# Altium PCB TIMESTICK_2.1.PcbDoc (part 2 of 3) (continued)
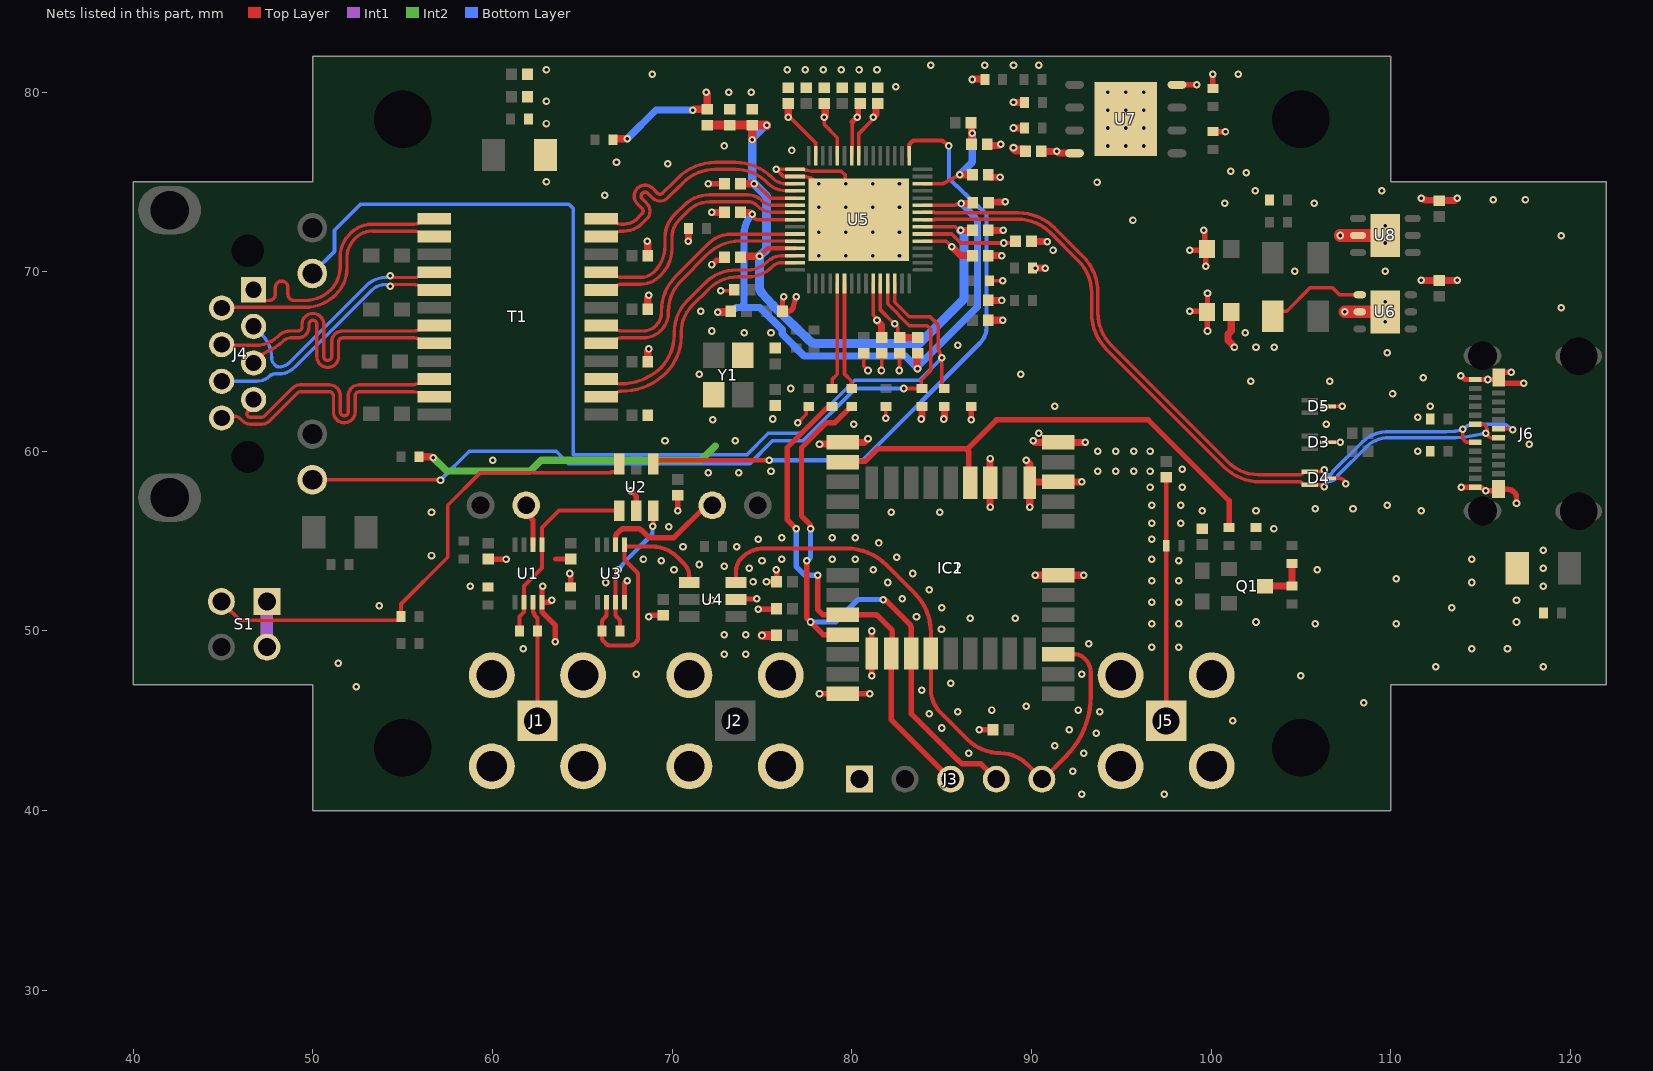
[diagram p4: the nets of this part, all layers, seen from the top]
## Nets (pads, with @x,y where several pads share a name; then routed paths per layer and width w, separated by ;. In a path a pad name is that pad's centre, name@x,y a point inside that pad or via, vN(x,y) a via of type N, cw(c..) or ccw(c..) an arc to the next point about the centre after c; other vN are vias at no path point)
1PPS_IN: R9.1 U3.2 U3.5 U4.4 | length 14.6
  Top Layer w0.233: R9.1@66.1,50 66.1,49.596 ccw(c66.333,49.596) 66.168,49.432 66.333,49.267 ccw(c66.496,49.433) 66.495,49.2 67.704,49.2 ccw(c67.704,49.433) 67.868,49.268 68.032,49.432 ccw(c67.867,49.596) 68.1,49.596 68.1,53.104 ccw(c67.867,53.104) 68.032,53.268 67.412,53.888 cw(c67.577,54.052) 67.344,54.052 U3.5@67.344,54.798 ; R9.1@66.1,50.011 66.1,50.504 cw(c66.333,50.504) 66.168,50.668 66.276,50.776 ccw(c66.112,50.941) 66.344,50.941 U3.2@66.344,51.598 ; U3.5@67.443,54.7 68.872,54.7 cw(c68.873,52.703) 70.281,54.119 70.657,53.743 70.659,53.741 cw(c69.955,53.038) 70.95,53.04 70.95,52.884 U4.4@70.95,52.7
1PPS_IN_BUFF: R9.2 U2.3 U3.3 | length 7.6
  Top Layer w0.233: v1(67,53.4) 66.864,53.089 ccw(c67.077,52.996) 66.844,52.996 66.844,50.952 ccw(c67.077,50.952) 66.912,50.788 67.033,50.667 cw(c66.867,50.504) 67.1,50.504 R9.2@67.1,50 ; v1(68.925,55.825) ccw(c68.717,55.93) 68.95,55.93 U2.3@68.95,56.7
  Bottom Layer w0.233: v1(67,53.4) 67.411,53.909 cw(c67.592,53.763) 67.428,53.928 68.832,55.332 ccw(c68.667,55.496) 68.9,55.492 cw(c69.132,55.486) 68.9,55.502 v1(68.925,55.825)
1PPS_IN_LED: D2.C U3.6 | length 7
  Top Layer w0.3: U3.6@66.844,54.798 66.844,55.22 cw(c67.144,55.22) 66.931,55.431 67.113,55.613 cw(c67.324,55.4) 67.324,55.7 68.076,55.7 cw(c68.076,55.4) 68.288,55.612 68.613,55.287 ccw(c68.824,55.5) 68.824,55.2 70.1,55.2 71.9,57 D2.C@72.23,57
1PPS_OUT: R3.2 U1.2 U1.5 U2.1 | length 11
  Top Layer w0.233: R3.2@61.5,50 61.5,50.8 61.75,51.05 U1.2@61.75,51.6 61.75,52.5 62.75,53.5 U1.5@62.75,54.8 62.75,55.75 63.7,56.7 U2.1@67.05,56.7
1PPS_OUT_LED: D1.C U1.6 | length 2.3
  Top Layer w0.3: D1.C@61.87,56.9 61.87,56.564 62.25,56.184 U1.6@62.25,54.8
1PPS_SMA_OUT: J1.1 R3.1 U1.3 | length 6.7
  Top Layer w0.233: U1.3@62.25,51.6 62.25,51.146 ccw(c62.483,51.146) 62.318,50.982 62.334,50.966 62.334,50.878 62.5,50.711 cw(c62.267,50.704) 62.5,50.704 R3.1@62.5,50 J1.1@62.5,45
279_1PPS_IO: U2.4 U5.46 | length 36
  Top Layer w0.233: U2.4@68.95,59.3 69.15,59.5 v1(75.4,59.5) ; U5.46@83.191,76.45 83.191,76.995 cw(c83.423,76.995) 83.259,77.159 83.332,77.232 cw(c83.496,77.067) 83.496,77.3 84.953,77.3 cw(c84.953,77.067) 85.101,77.247 v1(85.4,77)
  Bottom Layer w0.233: v1(75.4,59.5) 80.6,59.5 87.146,66.046 ccw(c86.292,66.9) 87.5,66.901 87.5,73.2 85.551,75.049 85.4,75.2 v1(85.4,77)
279_TOD_IN: IC1.20 IC2.2 J3.3 R23.1 | length 27.8
  Top Layer w0.3: v1(76.9,55.7) 76.4,56.2 76.4,60.2 78.6,62.4 78.8,62.4 R23.1@78.9,62.5 ; v1(78.1,53.1) 78.1,51.2 78.4,50.9 IC1.20@79.5,50.9 81.276,50.9 cw(c81.276,50.6) 81.487,50.813 82.163,50.137 cw(c81.95,49.926) 82.25,49.926 82.25,49.5 IC2.2@82.2,48.75 82.2,45.05 J3.3@85.5,41.75
  Bottom Layer w0.3: v1(76.9,55.7) 76.9,53.6 77.4,53.1 v1(78.1,53.1)
279_TOD_IN_R: R23.2 U5.20 | length 6
  Top Layer w0.2: R23.2@78.9,63.5 78.9,64 79.191,64.291 U5.20@79.191,69.35
279_TOD_OUT: IC1.21 IC2.3 J3.4 R28.1 | length 33.8
  Top Layer w0.3: v1(77.5,53.9) 77.5,50.7 v1(77.7,50.5) 78.4,49.8 IC1.21@79.5,49.8 ; v1(77.7,55.7) 77.677,55.723 77.677,55.923 77.2,56.4 77.2,60.2 78.6,61.6 79.05,61.6 79.95,62.5 R28.1@80,62.5 ; v1(81.75,51.75) cw(c81.725,51.451) 81.937,51.663 83.213,50.387 cw(c83,50.176) 83.3,50.176 IC2.3@83.3,48.75 83.3,45.4 85.9,42.8 85.935,42.8 86.135,42.6 87.19,42.6 J3.4@88.04,41.75
  Bottom Layer w0.3: v1(77.5,53.9) 77.7,54.1 v1(77.7,55.7) ; v1(77.7,50.5) 79.1,50.5 80.35,51.75 v1(81.75,51.75)
279_TOD_OUT_R: R28.2 U5.21 | length 6
  Top Layer w0.2: U5.21@79.591,69.35 79.591,64.309 79.967,63.933 79.967,63.533 R28.2@80,63.5
+5V_ANT: Q1.3 R11.1 R13.2 | length 2.7
  Top Layer w0.4: Q1.3@103,52.5 R11.1@104.5,52.5 R13.2@104.5,53.75
ANT: C7.1 J5.1 L1.2 | length 13.6
  Top Layer w0.233: J5.1@97.5,45 97.5,52.3 L1.2@97.5,54.75 C7.1@97.5,58.56
AVDD10: C16.2 C17.2 FB1.2 U5.43 | length 6.8
  Top Layer w0.203: U5.43@83.941,74.9 85.072,74.9 v1(86,75.4) v1@85.941,75.4
  Top Layer w0.4: v1(86,75.4) C16.2@86.716,75.4 ; FB1.2@86.64,78.3 86.661,78.279 86.661,77.101 C17.2@86.66,77.1
  Bottom Layer w0.4: v1(86,75.4) 86.7,76.1 v1(86.7,77.7)
AVDD_1.85: C26.2 C27.2 FB2.2 FB3.2 U5.8 U5.40 | length 36.8
  Top Layer w0.2: v1(74.456,73.2) 74.455,73.19 ccw(c74.655,73.185) 74.513,73.044 74.598,72.958 ccw(c74.739,73.1) 74.739,72.9 75.005,72.9 76.391,72.9 U5.8@76.841,72.9 ; U5.40@83.941,73.7 85.698,73.7 ccw(c85.698,73.9) 85.824,73.745 cw(c85.949,73.589) 85.856,73.766 85.973,73.827 86.073,73.827 v1(86.1,73.8)
  Top Layer w0.4: v1(72.544,67.75) v1@72.563,67.769 ; v1@72.59,67.769 73.229,67.769 FB3.2@73.26,67.8 ; C26.2@73.796,73.3 74.193,73.3 cw(c74.191,72.9) v1(74.456,73.2) ; v1(83.656,64.6) 83.656,64.627 83.625,64.658 83.625,65.429 FB2.2@83.656,65.46 ; v1(86.1,73.8) 86.104,73.804 86.68,73.804 C27.2@86.726,73.85
  Bottom Layer w0.4: v1(72.544,67.75) 72.548,67.754 73.308,67.754 73.554,68 73.845,68 ; 74,71.273 74,68.321 cw(c73.6,68.321) 73.883,68.038 73.845,68 ; 74,71.273 74,72.1 cw(c75.556,72.1) v1(74.456,73.2) ; v1(83.656,64.6) 83.656,64.627 83.606,64.677 83.606,64.681 82.987,65.3 80.892,65.3 80.882,65.31 80.418,65.31 80.408,65.3 77.35,65.3 76.121,66.529 76.121,66.771 74.892,68 73.883,68 73.845,68 ; v1@83.66,64.631 83.675,64.646 83.675,64.719 87,68.044 87,72.856 86.792,73.064 86.792,73.108 v1(86.1,73.8)
AVDD_33: C35.2 C36.2 C37.2 C38.2 C39.2 FB4.2 U5.5 U5.12 U5.37 | length 41.1
  Top Layer w0.2: v1(74.556,74.9) 74.637,74.9 74.776,74.761 74.795,74.761 75.456,74.1 U5.5@76.841,74.1 ; U5.37@83.941,72.5 85.756,72.5 85.956,72.3 v1(86.056,72.3)
  Top Layer w0.25: v1(74.859,70.864) 74.872,70.864 75.308,71.3 U5.12@76.841,71.3
  Top Layer w0.4: C36.2@73.796,70.8 73.86,70.864 v1(74.859,70.864) ; C37.2@73.796,74.9 v1(74.556,74.9) ; v1(86.056,72.3) C38.2@86.716,72.3
  Top Layer w0.5: FB4.2@71.956,78.16 C35.2@73.206,78.16 C39.2@74.456,78.16 ; v1(74.456,77.35) C39.2@74.456,78.16 ; v1(75.256,78.15) 75.246,78.16 C39.2@74.456,78.16
  Bottom Layer w0.5: v1(74.456,77.35) 74.456,75 v1(74.556,74.9) 75.256,74.2 75.256,71.261 v1(74.859,70.864) 74.859,69.155 ccw(c75.359,69.155) 74.989,68.819 75.6,68.146 ccw(c76.1,68.6) 75.63,68.115 77.666,66.141 ccw(c78.014,66.5) 78.014,66 83.756,66 86.25,68.494 86.25,72.106 v1(86.056,72.3) ; v1@74.456,77.45 75.156,78.15 v1(75.256,78.15)
D_N: D4.2 J6.A7 J6.B7 U5.38 | length 42
  Top Layer w0.195: U5.38@83.941,72.9 83.944,72.903 84.591,72.903 ccw(c84.591,72.939) 84.617,72.913 cw(c84.643,72.888) 84.643,72.924 89.249,72.924 cw(c89.249,70.384) 91.045,72.18 92.606,70.619 cw(c90.81,68.823) 93.35,68.823 93.35,67.699 ccw(c96.239,67.699) 94.196,65.657 100.708,59.145 ccw(c102.751,61.188) 102.751,58.298 104.879,58.298 ; 104.925,58.3 cw(c104.925,58.105) D4.2@105.114,58.15 ; D4.2@105.132,58.174 D4.2@105.492,58.144 106.193,58.144 cw(c106.193,57.993) 106.3,58.1 v1(106.3,58.038) ; J6.A7@114.7,61.5 115.129,61.5 cw(c115.129,61.305) 115.308,61.382 115.351,61.28 cw(c115.172,61.203) 115.353,61.131 v1(115.3,61) ccw(c115.824,61.313) 115.518,60.785 ccw(c115.614,60.954) 115.574,60.764 115.747,60.728 J6.B7@116,60.75
  Bottom Layer w0.195: v1(106.3,58.038) 106.366,58.202 cw(c106.546,58.13) 106.546,58.324 ccw(c106.546,58.87) 107.029,58.614 107.031,58.619 cw(c107.203,58.528) 107.065,58.665 108.665,60.265 cw(c109.841,59.086) 109.735,60.748 ccw(c109.724,60.923) 109.736,60.748 cw(c109.748,60.554) 109.747,60.748 113.073,60.748 113.081,60.748 ccw(c113.08,61.295) 113.104,60.749 113.579,60.769 cw(c113.587,60.575) 113.583,60.769 114.019,60.779 ccw(c114.008,61.236) 114.088,60.786 v1(115.3,61)
D_P: D4.1 J6.A6 J6.B6 U5.39 | length 43.9
  Top Layer w0.195: U5.39@83.941,73.3 83.944,73.297 84.591,73.297 cw(c84.591,73.261) 84.617,73.287 ccw(c84.643,73.312) 84.643,73.276 89.25,73.276 cw(c89.25,70.387) 91.293,72.43 92.855,70.867 cw(c90.813,68.824) 93.702,68.824 93.702,67.701 ccw(c96.242,67.701) 94.446,65.904 100.956,59.394 ccw(c102.631,61.069) 102.631,58.7 104.95,58.7 ccw(c104.95,58.895) 105.132,58.826 D4.1@105.492,58.856 106.193,58.856 ccw(c106.193,59.007) 106.3,58.9 v1(106.3,58.962) ; v1(114.008,61.236) 114.008,60.821 ccw(c114.321,60.821) 114.1,60.6 ccw(c114.341,60.841) 114.341,60.5 J6.A6@114.7,60.5 ; J6.B6@116,61.25 116.679,61.25 cw(c116.679,61.079) v1(116.8,61.2)
  Bottom Layer w0.195: v1(106.3,58.962) 106.366,58.798 ccw(c106.546,58.87) 106.546,58.676 ccw(c106.546,58.87) 106.718,58.779 106.721,58.784 cw(c107.203,58.528) 106.816,58.913 108.417,60.514 ; 108.417,60.514 cw(c109.841,59.086) 109.712,61.099 ; 109.713,61.099 cw(c109.748,60.554) 109.746,61.1 113.073,61.1 ; 113.074,61.1 113.081,61.1 ccw(c113.08,61.295) 113.089,61.1 113.563,61.12 ; 113.565,61.121 ccw(c113.556,61.315) 113.591,61.124 113.904,61.181 ccw(c113.87,61.373) v1(114.008,61.236) cw(c114.784,60.46) 114.4,61.488 cw(c114.467,61.305) 114.466,61.5 116.307,61.5 cw(c116.306,61.305) 116.382,61.484 cw(c115.844,60.244) v1(116.8,61.2)
DVDD_1.85: C22.2 C23.2 C24.2 C25.2 FB2.1 U5.26 U5.35 U5.53 U5.56 | length 14.2
  Top Layer w0.2: v1(78.456,78.6) 78.456,78.2 79.191,77.465 U5.56@79.191,76.45 ; U5.53@80.391,76.45 80.391,77.302 80.396,77.307 80.396,77.696 81.061,78.361 81.061,78.38 81.2,78.519 v1(81.2,78.6) ; U5.26@81.591,69.35 81.591,67.865 82.356,67.1 v1(82.4,67.1) 82.4,67.093 82.556,66.937 82.556,66.44 C24.2@82.656,66.34 ; U5.35@83.941,71.7 85.256,71.7 v1(85.556,71.4)
  Top Layer w0.4: v1(78.456,78.6) 78.456,78.605 78.517,78.667 78.517,79.299 C22.2@78.456,79.36 ; v1(81.2,78.6) 81.2,78.627 81.338,78.765 81.338,79.26 81.438,79.36 C25.2@81.456,79.36 ; C24.2@82.656,66.34 FB2.1@83.656,66.34 ; v1(85.556,71.4) 86.056,70.9 C23.2@86.716,70.9
DVDD_33: C18.2 C20.2 C31.2 C32.2 C33.2 C34.2 FB4.1 FB5.1 L2.2 R8.2 R10.2 R19.2 R22.2 R24.2 R25.2 R31.1 R32.1 R34.1 R35.1 R36.1 R37.1 R38.1 U5.25 U5.36 U5.54 U5.59 U6.1 U7.8 | length 59.5
  Top Layer w0.2: v1@76.356,78.7 76.356,79.26 C33.2@76.456,79.36 ; v1(76.456,78.6) 76.556,78.6 76.556,78.56 76.557,78.558 76.598,78.558 77.991,77.165 U5.59@77.991,76.45 ; v1(77,61.6) 77.467,62.067 77.467,62.367 R24.2@77.6,62.5 ; U5.54@79.991,76.45 80.016,77.41 80.021,77.477 80.021,78.324 ; U5.25@81.191,69.35 81.191,67.59 81.4,67.381 v1(81.4,67.3) ; v1(81.894,61.85) 81.899,62.35 R19.2@81.9,62.5 ; U5.36@83.941,72.1 85.556,72.1 86.056,71.6 v1(88.456,71.6) 89.016,71.6 C32.2@89.116,71.7 ; R25.2@87.656,69.5 v1(88.4,69.5) ; L2.2@103.425,67.517 103.716,67.808 104.208,67.808 105.517,69.117 106.75,69.117 107.15,68.717 U6.1@108.275,68.717
  Top Layer w0.3: v1(75.25,52.75) FB5.1@75.81,52.75 75.81,53.39 v1(75.8,53.4) ; 80.021,78.324 80.297,78.6 v1(80.3,78.6) 80.3,78.654 80.359,78.713 80.359,79.263 C34.2@80.456,79.36 ; v1(86.65,61.75) R22.2@86.65,62.5 ; R36.1@100.1,77.8 v1(100.8,77.8) ; R38.1@100.1,80.2 v1(100.1,81)
  Top Layer w0.4: R10.2@55.9,59.7 56.508,59.7 cw(c56.506,59.3) v1(56.7,59.65) ; R8.2@66.7,77.35 66.75,77.4 v1(67.5,77.4) ; v1(71.15,79) 71.177,79 71.217,79.04 FB4.1@71.956,79.04 71.956,79.917 71.9,79.973 v1(71.9,80) ; v1(76.456,78.6) C33.2@76.456,79.36 ; v1(81.4,67.3) 81.4,67.273 81.644,67.028 81.644,66.44 81.656,66.429 C31.2@81.656,66.34 ; v1(83.865,61.8) 83.865,61.805 83.9,61.841 R31.1@83.9,62.5 ; v1(85.115,61.8) 85.115,61.805 85.15,61.841 R32.1@85.15,62.5 ; v1(86.7,80.7) 86.714,80.7 86.736,80.722 87.111,80.722 87.133,80.7 R34.1@87.4,80.7 ; v1(89,78) R37.1@89.6,78 ; v1(89,79.425) R35.1@89.625,79.425 ; C20.2@90.54,76.7 v1(91.4,76.7) 91.405,76.7 91.501,76.605 92.39,76.605 U7.8@92.4,76.595 ; C18.2@101.125,67.767 101.125,66.706 100.935,66.516 100.935,66.184 101.3,65.819 v1(101.3,65.8)
  Int2 w0.4: v1(56.7,59.65) 57.45,58.9 62.1,58.9 62.7,59.5 71.6,59.5 72.4,60.3
  Bottom Layer w0.4: v1(67.5,77.4) 69.1,79 v1(71.15,79)
  other v1: 103.509,65.798 102.5,65.8 101.9,66.6
GND: C1.1 C2.1 C3.1 C4.1 C5.1 C6.2 C10.1 C11.1 C12.1 C13.1 C14.1 C15.1 C16.1 C17.1 C18.1 C19.1 C20.1 C21.1 C22.1 C23.1 C24.1 C25.1 C26.1 C27.1 C28.1 C29.1 C30.1 C31.1 C32.1 C33.1 C34.1 C35.1 C36.1 C37.1 C38.1 C39.1 C40.1 C41.1 C42.1 C43.1 C44.1 C45.2 C46.2 C48.2 C49.2 C50.2 C51.2 D3.3 D4.3 D5.3 IC1.7 IC1.10 IC1.12 IC1.13 IC1.24 IC2.1 IC2.10 IC2.12 J1.2 J1.3 J1.4 J1.5 J2.2 J2.3 J2.4 J2.5 J3.1 J5.2 J5.3 J5.4 J5.5 J6.A1 J6.A12 J6.B1 J6.B12 R1.2 R4.1 R15.2 R16.2 R18.1 R21.1 R29.2 R30.2 R33.1 R41.2 S1.1 S1.2 U1.4 U2.2 U3.4 U4.2 U5.1 U5.2 U5.61 U6.2 U6.7 U7.4 U7.9 U8.2 U8.7 Y1.2 Y1.4 | length 95.2
  Top Layer w0.2: v1(72.694,68.95) 73.41,68.95 C28.1@73.46,69 ; v1(78.156,74.9) 78.078,74.961 77.9,75.1 77.838,75.148 ccw(c77.716,74.99) 77.823,75.159 ccw(c77.326,74.355) 77.326,75.3 76.2,75.3 v1(75.8,75.7) 77.337,75.7 cw(c77.337,75.4) 77.341,75.7 ccw(c77.491,75.9) 77.491,75.65 77.504,75.65 77.758,75.603 ccw(c77.793,75.8) 77.792,75.6 ccw(c77.8,76.5) 77.796,75.6 79.331,75.6 cw(c79.331,75.4) 79.472,75.541 79.631,75.383 79.631,74.9 79.656,74.875 v1(79.656,73.6) 79.691,73.6 U5.61@80.391,72.9 ; C41.1@80.656,65.46 80.656,64.744 v1(80.9,64.5) ; v1(81.65,64.5) 81.656,64.506 C31.1@81.656,65.46 ; v1@82.656,64.506 C24.1@82.656,65.46 ; D4.3@106.508,58.5 106.865,58.498 107.159,58.497 cw(c107.158,58.297) 107.248,58.475 107.368,58.415 cw(c107.278,58.236) 107.468,58.298 v1(107.5,58.2) ; D3.3@106.508,60.5 v1(107.2,60.5) ; D5.3@106.508,62.5 v1(107.3,62.5)
  Top Layer w0.3: C1.1@59.75,54.01 59.92,54 v1(60.75,54) ; v1(62.8,52.5) 62.75,52.45 U1.4@62.75,51.6 ; v1(63.3,51.7) 63.2,51.6 U1.4@62.75,51.6 ; v1(63.5,49.4) 63.5,50.3 62.75,51.05 U1.4@62.75,51.6 ; 63.504,54.008 C4.1@64.344,54.008 ; v1(64.3,53.2) 64.344,53.156 R4.1@64.344,52.448 ; U3.4@67.344,51.598 67.344,52.644 v1(67.5,52.8) ; v1(67.7,57.8) 68,57.5 U2.2@68,56.7 ; v1(68.7,50.8) 68.77,50.87 C3.1@69.5,50.87 ; v1(70.3,56.7) 70.3,57.54 70.28,57.56 C2.1@70.3,57.56 ; v1(72,74.9) C37.1@72.916,74.9 ; v1(72.2,70.4) 72.232,70.4 72.462,70.63 72.766,70.63 72.916,70.78 C36.1@72.916,70.8 ; U4.2@73.55,51.75 73.657,51.857 73.765,51.75 73.975,51.763 v1(74.7,51.8) ; v1(74.8,51.2) 75.66,51.2 C10.1@75.81,51.25 ; v1(76.2,68.6) 76.2,68.568 76.14,68.508 C29.1@76.14,67.8 76.44,67.8 ccw(c76.44,68.1) 76.728,68.015 v1(76.9,68.6) ; v1(78.2,46.5) IC1.24@79.5,46.5 v1(81,46.5) ; v1(81.1,47.5) IC2.1@81.1,48.75 v1(81.1,50) ; v1(87.1,44.5) C12.1@87.86,44.5 ; U7.4@98.1,80.405 98.105,80.4 v1(99.194,80.4) ; v1(98.8,67.8) 99.742,67.8 C18.1@99.775,67.767 ; v1(98.8,71.2) 99.708,71.2 C30.1@99.775,71.267 ; v1(99.6,72.3) 99.647,72.253 99.647,71.396 C30.1@99.775,71.267 ; v1(99.7,70.3) 99.7,71.192 C30.1@99.775,71.267 ; v1(99.8,66.7) 99.775,66.725 C18.1@99.775,67.767 ; v1(99.8,68.8) 99.8,68.117 C18.1@99.775,67.767 ; v1(113.9,64.2) 113.932,64.2 114.132,64 J6.A12@114.7,64 v1(115.4,64) 115.769,64 ccw(c115.769,64.341) J6.B1@116.01,64.1 ; v1(113.925,58) J6.A1@114.7,58 114.817,58 cw(c114.817,57.317) v1(115.3,57.8) 115.759,57.8 ccw(c115.759,58.141) J6.B12@116,57.9 116.417,57.9 cw(c116.417,57.217) 116.9,57.7 cw(c116.659,57.459) 117,57.459 v1(117,57.1) ; v1(116.7,64.4) 116.21,64.4 J6.B1@116.01,64.1 ; v1(117.4,63.8) 116.21,63.8 J6.B1@116.01,64.1
  Top Layer w0.4: v1(68.6,71.7) cw(c68.503,71.603) 68.64,71.603 C51.2@68.64,70.9 ; C49.2@68.64,65 68.64,65.555 cw(c68.845,65.555) v1(68.7,65.7) ; C50.2@68.64,67.9 68.64,68.555 cw(c68.845,68.555) v1(68.7,68.7) ; v1(70.9,71.7) R21.1@70.9,72.4 ; v1(72.2,73.3) C26.1@72.916,73.3 ; v1(78.2,60.4) 78.204,60.404 79.404,60.404 IC1.13@79.5,60.5 80.7,60.5 v1(80.9,60.7) ; C17.1@87.54,77.1 87.614,77.026 88.214,77.026 88.289,77.1 v1(88.294,77.1) ; C42.1@87.596,67.3 v1@88.356,67.3 ; C43.1@87.596,68.4 v1(88.356,68.4) ; C23.1@87.596,70.9 v1(88.356,70.9) ; C38.1@87.596,72.3 v1(88.431,72.3) ; C16.1@87.596,75.4 87.696,75.28 v1(88.25,75.25) ; C27.1@87.606,73.85 87.706,73.855 v1(88.541,73.9) ; v1(87.7,56.9) IC2.12@87.7,58.25 v1(87.7,59.6) ; v1(89.7,59.5) 89.9,59.3 IC2.10@89.9,58.25 ; v1(89.9,56.9) IC2.10@89.9,58.25 ; C32.1@89.996,71.7 90.096,71.697 v1(90.881,71.675) ; R18.1@90.056,70.2 v1(90.756,70.2) ; v1(90.1,60.6) 90.2,60.5 IC1.12@91.5,60.5 v1(93,60.5) ; v1(90.2,53.1) IC1.7@91.5,53.1 v1(92.9,53.1) ; v1(92.8,58.3) IC1.10@91.5,58.3 89.95,58.3 IC2.10@89.9,58.25 ; v1(111.7,69.517) v1(113.7,69.517) ; v1(111.7,74.1) ccw(c111.972,74.393) 111.951,73.994 112.58,73.963 C40.1@112.7,73.957 113.552,73.957 113.695,74.1 v1(113.7,74.1)
  Top Layer w0.5: v1(75,49.75) C11.1@75.81,49.75 ; v1(89,76.9) 89.13,76.77 89.61,76.77 89.66,76.72 C20.1@89.66,76.7
  Top Layer w0.7: v1(107.2,72.017) U8.2@108.175,72.017 U8.7@109.7,72.017 ; v1(107.45,67.767) U6.2@108.275,67.767 U6.7@109.7,67.767
  Int1 w0.7: S1.2@47.44,49.1 S1.1@47.44,51.64
  other v1: 92.8,40.9 97.4,40.9 92.3,42.2 86.5,43.2 92.9,43.2 91.3,43.6 93.6,44.3 92.1,44.5 85,44.6 101.2,45 84.3,45.4 85.9,45.5 93.8,45.5 87.8,45.6 92.6,45.6 89.7,45.8 108.5,46 83.9,46.7 52.4,46.9 85.5,47.1 105,47.5 68,47.6 92.8,47.6 112.5,48 118.5,48 51.4,48.2 72.9,48.7 74.1,48.7 61.7,49 114.5,49 116.5,49 96.7,49.1 98.2,49.1 93.2,49.3 72.9,49.8 74.1,49.8 84.991,50.086 96.7,50.4 98.2,50.4 105.8,50.4 110.3,50.4 102.5,50.5 117,50.5 86.6,50.7 89.1,50.7 83.6,50.8 85,51.3 113.4,51.3 53.7,51.4 96.7,51.6 98.2,51.6 72.2,51.7 117,51.7 82.8,51.8 84.3,52.3 58.75,52.5 118.5,52.5 66.3,52.7 82,52.7 114.5,52.7 74.5,52.75 96.7,52.8 98.2,52.8 110.3,52.9 83.4,53.2 70.1,53.4 81.2,53.4 105.9,53.4 74.3,53.5 118.5,53.5 72.9,53.6 71.5,53.7 69.4,53.9 75,53.9 98.2,53.9 68.4,54 76.1,54 78.9,54 80.2,54 96.7,54 114.5,54 82.5,54.1 56.6,54.2 118.5,54.5 70.6,54.7 73.6,54.7 81.5,54.9 74.8,55.1 96.7,55.1 76.1,55.2 78.9,55.2 80.2,55.2 103.5,55.7 69.8,55.8 96.7,56 98.3,56 56.6,56.6 82.2,56.6 84.9,56.6 99.5,56.7 102.5,56.7 111.7,56.7 105.8,56.8 107.9,56.8 96.7,57 98.3,57 109.8,57 96.6,58 98.4,58 72,58.8 73.7,58.8 75.5,58.9 93.7,58.9 94.7,58.9 95.7,58.9 96.6,58.9 98.4,59 60,59.5 93.7,60 94.7,60 95.7,60 96.6,60 111.5,60 117.7,60.4 69.6,60.6 73.5,60.6 90.4,61 80.1,61.5 106.4,61.5 72.25,61.75 75.6,61.8 111.5,61.9 91.3,62.5 112.2,62.5 110.1,63.2 76.6,63.5 102.2,63.9 106.6,63.9 111.8,64.1 71.5,64.3 89.4,64.3 82.65,64.5 109.8,65.5 85.9,65.9 74,66.6 75.5,66.6 72.2,66.7 109.7,67.217 88.4,67.3 71.6,67.8 119.5,68 109.7,68.317 104.65,70.017 109.7,70.017 90.2,70.2 78.156,70.9 79.656,70.9 81.156,70.9 82.656,70.9 91.2,71.2 109.7,71.6 119.5,72 78.156,72.2 79.656,72.2 81.156,72.2 82.656,72.2 109.7,72.567 95.65,72.875 78.156,73.6 81.156,73.6 82.656,73.6 100.75,73.817 105.75,73.817 115.7,74 117.5,74 66.25,74.25 109.5,74.5 102.45,74.517 79.656,74.9 81.156,74.9 82.656,74.9 93.65,74.975 63,75 101.95,75.517 101.1,75.6 69.75,76 66.9,76.1 76.65,76.75 72.9,77 94.25,77 95.25,77 96.25,77 94.25,78 95.25,78 96.25,78 63,78.25 94.25,79 95.25,79 96.25,79 63,79.5 73.15,80 74.4,80 94.25,80 95.25,80 96.25,80 82.456,80.3 68.9,81 101.5,81 63,81.25 76.4,81.25 77.4,81.25 78.4,81.25 79.4,81.25 80.4,81.25 81.4,81.25 84.4,81.5 87.4,81.5 89,81.5 90.4,81.5
GPS_PPS_OUT: IC1.3 IC2.4 J3.5 U4.3 | length 34.6
  Top Layer w0.233: U4.3@73.55,52.7 73.55,52.884 73.55,53.338 cw(c74.549,53.336) 73.84,54.04 cw(c75.108,52.885) 75.108,54.6 79.689,54.6 cw(c79.688,51.433) 81.923,53.677 83.507,52.093 cw(c81.335,49.93) 84.4,49.934 IC2.4@84.4,49.534 ; IC2.4@84.4,48.75 84.4,46.725 ccw(c86.169,46.733) 84.911,45.489 ; 84.912,45.488 86.445,43.955 ccw(c88.282,45.813) 88.264,43.2 cw(c88.262,41.104) 89.744,42.586 89.745,42.585 J3.5@90.58,41.75 ccw(c90.552,41.981) 90.716,41.816 91.908,43.008 ccw(c88.516,46.381) 93.3,46.381 93.3,47.684 ccw(c92.247,47.682) 92.867,48.533 ccw(c92.459,48.117) 92.459,48.7 92.284,48.7 IC1.3@91.5,48.7
LED0: J4.12 R31.2 U5.27 | length 44.3
  Top Layer w0.2: J4.12@49.97,58.42 57.08,58.42 v1(57.1,58.4) ; U5.27@81.991,69.35 81.991,68.209 83.2,67 84.196,67 84.4,66.796 84.4,65.232 84.4,64.5 83.856,63.956 83.856,63.544 R31.2@83.9,63.5 v1(82.9,63.5)
  Bottom Layer w0.2: v1(57.1,58.4) 58.7,60 63.55,60 64.25,59.3 74.3,59.3 75.6,60.6 77.3,60.6 80.2,63.5 v1(82.9,63.5)
LED1: J4.10 R32.2 U5.28 | length 61
  Top Layer w0.2: U5.28@82.391,69.35 82.391,68.309 83.2,67.5 84.356,67.5 84.741,67.114 cw(c84.6,66.973) 84.8,66.973 84.8,65.794 ccw(c85,65.794) 84.812,65.726 v1(85,65.2) 85.002,65.172 cw(c84.802,65.159) 85.002,65.159 85.002,63.65 R32.2@85.15,63.5
  Bottom Layer w0.2: J4.10@49.97,69.9 51.2,71.13 51.2,72.3 52.65,73.75 64.25,73.75 64.5,73.5 64.5,59.8 74.149,59.8 75.349,61 77.205,61 80.165,63.96 83.76,63.96 v1(85,65.2)
LNA_EN: IC1.14 IC2.13 R14.1 | length 27.8
  Top Layer w0.3: IC1.14@79.5,59.4 79.55,59.45 80.75,59.45 81.449,60.149 86.351,60.149 86.5,60 86.5,58.35 IC2.13@86.6,58.25 ; 86.4,60.1 88.05,61.75 96.5,61.75 101,57.25 R14.1@101,55.75
MDI0_N: T1.11 U5.4 | length 14.2
  Top Layer w0.186: T1.11@66.05,71.96 66.436,71.96 ccw(c66.436,72.476) 66.801,72.111 cw(c67.166,71.746) 67.166,72.262 67.302,72.262 ccw(c67.302,73.724) 68.336,72.69 68.386,72.741 68.588,72.943 ccw(c68.16,73.371) 68.588,73.799 68.333,74.055 cw(c68.489,74.209) 68.333,74.365 cw(c68.489,74.209) 68.645,74.364 ; 68.645,74.364 68.898,74.111 ccw(c69.327,74.538) 69.755,74.11 70.323,74.677 70.523,74.877 ; U5.4@76.841,74.5 76.834,74.507 76.341,74.507 cw(c76.341,75.94) 75.328,74.927 75.299,74.956 ccw(c73.503,73.16) 73.503,75.7 72.397,75.7 ccw(c72.397,73.16) 70.602,74.956 ; 70.523,74.877 70.602,74.956 ; 70.523,74.877 70.601,74.956
MDI0_P: T1.12 U5.3 | length 14.2
  Top Layer w0.186: T1.12@66.05,72.95 66.436,72.95 cw(c66.436,72.434) 66.801,72.799 ccw(c67.166,73.164) 67.166,72.648 67.3,72.648 ccw(c67.3,73.729) 68.064,72.964 68.114,73.014 68.176,73.076 68.316,73.216 ccw(c68.16,73.371) 68.316,73.526 68.062,73.78 cw(c68.489,74.209) 68.061,74.637 cw(c68.489,74.209) 68.852,74.694 68.861,74.694 69.172,74.382 ccw(c69.327,74.538) 69.483,74.383 70.05,74.95 70.33,75.23 ; 70.25,75.15 70.33,75.23 ; U5.3@76.841,74.9 76.834,74.893 76.342,74.893 cw(c76.342,75.942) 75.6,75.2 75.569,75.231 ccw(c73.506,73.169) 73.506,76.086 72.396,76.086 ccw(c72.396,73.165) 70.33,75.23
MDI1_N: T1.8 U5.7 | length 13.9
  Top Layer w0.186: T1.8@66.05,68.986 66.436,68.986 ccw(c66.436,69.504) 66.802,69.138 cw(c67.194,68.745) 67.194,69.3 68.242,69.3 ccw(c68.242,70.756) 69.272,69.726 69.386,69.84 ccw(c67.937,71.289) 69.986,71.289 69.986,71.9 cw(c71.4,71.9) 70.4,72.9 70.905,73.405 cw(c72.1,72.21) 72.1,73.9 72.3,73.9 74.217,73.9 cw(c74.217,73.217) 74.7,73.7 ccw(c75.647,74.646) 75.647,73.307 76.834,73.307 U5.7@76.841,73.3
MDI1_P: T1.9 U5.6 | length 14.2
  Top Layer w0.186: T1.9@66.05,69.978 66.436,69.978 cw(c66.436,69.46) 66.802,69.826 ccw(c67.141,70.166) 67.141,69.686 68.241,69.686 ccw(c68.241,70.759) 69,70 ccw(c67.551,71.449) 69.6,71.449 69.6,71.903 cw(c71.392,71.903) 70.125,73.17 70.634,73.679 cw(c72.098,72.216) 72.098,74.286 72.1,74.286 ; 72.46,74.286 72.1,74.286 ; U5.6@76.841,73.7 76.834,73.693 75.648,73.693 cw(c75.648,74.648) 74.973,73.973 74.97,73.975 ccw(c74.22,73.225) 74.22,74.286 72.1,74.286
MDI2_N: T1.5 U5.11 | length 13.7
  Top Layer w0.186: T1.5@66.05,66.014 66.436,66.014 ccw(c66.436,66.53) 66.801,66.165 cw(c67.166,65.8) 67.166,66.316 68.381,66.316 ccw(c68.381,67.717) 69.372,66.726 69.374,66.728 ccw(c68.379,67.723) 69.786,67.723 69.786,67.8 cw(c72.165,67.8) 70.483,69.483 71.963,70.963 cw(c73.759,69.167) 73.759,71.707 76.834,71.707 U5.11@76.841,71.7
MDI2_P: T1.6 U5.10 | length 13.8
  Top Layer w0.186: T1.6@66.05,67.004 66.436,67.004 cw(c66.436,66.488) 66.801,66.853 ccw(c67.166,67.218) 67.166,66.702 68.38,66.702 ccw(c68.38,67.72) 69.1,67 ccw(c68.376,67.724) 69.4,67.724 69.4,67.804 cw(c72.155,67.804) 70.207,69.752 72.027,71.573 cw(c73.283,70.317) 73.283,72.093 76.834,72.093 U5.10@76.841,72.1
MDI3_N: T1.2 U5.14 | length 14.6
  Top Layer w0.186: T1.2@66.05,63.04 66.436,63.04 66.882,63.257 cw(c67.168,62.826) 67.168,63.343 ccw(c67.168,66.865) 69.659,64.376 ccw(c67.621,66.409) 70.5,66.409 70.5,66.648 cw(c72.557,66.648) 71.1,68.1 ; 71.101,68.101 72.05,69.05 72.051,69.051 cw(c73.665,67.419) 73.665,69.714 74.188,69.714 ccw(c74.188,71.71) 75.599,70.299 75.6,70.3 cw(c76.1,69.8) 76.1,70.507 76.834,70.507 U5.14@76.841,70.5
MDI3_P: T1.3 U5.13 | length 14.6
  Top Layer w0.186: T1.3@66.05,64.032 66.436,64.032 66.882,63.817 ccw(c67.102,64.181) 67.102,63.756 ccw(c67.102,67.097) 69.33,64.608 ccw(c67.102,67.097) 69.346,64.622 ccw(c67.423,66.505) 70.114,66.505 70.114,66.507 70.114,66.65 cw(c72.552,66.65) 70.827,68.373 cw(c71.1,68.1) 70.828,68.374 71.829,69.374 cw(c73.584,67.616) 73.584,70.1 73.585,70.1 74.186,70.1 ccw(c74.186,71.714) 75.327,70.573 75.329,70.575 cw(c76.097,69.807) 76.097,70.893 76.834,70.893 U5.13@76.841,70.9
MDIA_N: J4.2 T1.14 | length 14.6
  Top Layer w0.186: J4.2@44.92,67.98 cw(c45.003,67.897) 45.003,68.014 49.555,68.014 ccw(c49.555,70.44) 51.27,68.725 51.275,68.73 ccw(c49.768,70.238) 51.9,70.238 51.9,70.834 cw(c53.266,70.834) 52.3,71.8 52.382,71.882 cw(c53.3,70.964) 53.3,72.262 55.634,72.262 cw(c55.634,71.746) 55.999,72.111 ccw(c56.364,72.476) 56.364,71.96 T1.14@56.75,71.96
MDIA_P: J4.1 T1.13 | length 14.6
  Top Layer w0.186: J4.1@46.7,69 47.3,68.4 47.469,68.4 47.562,68.4 ccw(c47.562,68.747) 47.909,68.747 47.909,69.131 cw(c48.256,69.131) 48.256,69.477 cw(c48.256,69.131) 48.603,69.131 48.603,68.747 ccw(c48.95,68.747) 48.95,68.4 49.4,68.4 49.551,68.4 ccw(c49.551,70.449) 51,69 ccw(c49.758,70.242) 51.514,70.242 51.514,70.836 cw(c53.261,70.836) 52.026,72.071 52.112,72.157 cw(c53.297,70.972) 53.297,72.648 55.634,72.648 ccw(c55.634,73.164) 55.999,72.799 cw(c56.364,72.434) 56.364,72.95 T1.13@56.75,72.95
MDIB_N: J4.6 T1.17 | length 14
  Top Layer w0.186: v1(54.3,69.197) cw(c54.408,69.089) 54.408,69.242 54.445,69.242 ccw(c54.445,69.323) 54.502,69.266 cw(c54.559,69.208) 54.559,69.289 55.632,69.289 cw(c55.632,68.772) 55.998,69.138 ccw(c56.364,69.504) 56.364,68.986 T1.17@56.75,68.986
  Bottom Layer w0.186: J4.6@44.92,63.9 46.876,63.9 ccw(c46.876,64.924) 47.6,64.2 cw(c47.876,63.924) 47.876,64.314 48.102,64.314 ccw(c48.102,65.552) 48.977,64.677 53.27,68.97 cw(c54.041,68.199) 54.041,69.289 cw(c54.041,69.208) 54.098,69.266 ccw(c54.155,69.323) 54.155,69.242 54.192,69.242 cw(c54.192,69.089) v1(54.3,69.197)
MDIB_P: J4.3 T1.16 | length 13.5
  Top Layer w0.186: v1(54.3,69.767) ccw(c54.408,69.875) 54.408,69.722 54.445,69.722 cw(c54.445,69.641) 54.502,69.698 ccw(c54.559,69.756) 54.559,69.675 55.632,69.675 ccw(c55.632,70.192) 55.998,69.826 cw(c56.364,69.46) 56.364,69.978 T1.16@56.75,69.978
  Bottom Layer w0.186: J4.3@46.7,66.96 47.163,66.497 cw(c45.865,65.2) 47.7,65.2 ccw(c48.183,65.2) 47.841,64.859 47.929,64.771 ccw(c48.1,64.941) 48.1,64.7 ccw(c48.1,65.556) 48.705,64.951 52.999,69.244 cw(c54.039,68.204) 54.039,69.675 54.041,69.675 ccw(c54.041,69.756) 54.098,69.698 cw(c54.155,69.641) 54.155,69.722 54.192,69.722 ccw(c54.192,69.875) v1(54.3,69.767)
MDIC_N: J4.5 T1.20 | length 14.8
  Top Layer w0.186: J4.5@46.7,64.92 47.078,65.298 cw(c48.006,64.371) 47.503,65.582 ccw(c46.524,67.939) 48.332,66.138 cw(c48.763,65.707) 48.763,66.316 48.885,66.316 49.171,66.316 ccw(c49.171,66.922) 49.776,66.922 49.776,67.073 cw(c49.996,67.073) 49.996,67.293 cw(c49.996,67.073) 50.216,67.073 50.216,65.277 ccw(c50.822,65.277) 50.822,64.672 ccw(c50.822,65.277) 51.427,65.277 51.427,66.096 cw(c51.647,66.096) 51.647,66.316 52.5,66.316 55.634,66.316 cw(c55.634,65.8) 55.999,66.165 ccw(c56.364,66.53) 56.364,66.014 T1.20@56.75,66.014
MDIC_P: J4.4 T1.19 | length 16.3
  Top Layer w0.186: J4.4@44.92,65.94 ccw(c45.017,66.037) 45.017,65.9 46.827,65.9 ccw(c46.827,67.642) 48.06,66.411 cw(c48.761,65.71) 48.761,66.702 48.885,66.702 49.171,66.702 ccw(c49.171,66.922) 49.391,66.922 49.391,67.073 cw(c49.996,67.073) 49.996,67.679 cw(c49.996,67.073) 50.602,67.073 50.602,65.277 ccw(c50.822,65.277) 50.822,65.058 ccw(c50.822,65.277) 51.041,65.277 51.041,66.096 cw(c51.647,66.096) 51.647,66.702 52.5,66.702 55.634,66.702 ccw(c55.634,67.218) 55.999,66.853 cw(c56.364,66.488) 56.364,67.004 T1.19@56.75,67.004
MDID_N: J4.8 T1.23 | length 15.5
  Top Layer w0.186: J4.8@44.92,61.86 cw(c45.256,61.524) 45.256,61.999 45.424,61.999 cw(c45.424,61.117) 46.048,61.741 46.107,61.682 ccw(c46.508,62.082) 46.508,61.516 47.008,61.516 47.168,61.516 ccw(c47.168,62.087) 47.57,61.682 49.148,63.26 cw(c49.28,63.129) 49.28,63.314 49.81,63.314 50.921,63.314 cw(c50.921,63.095) 51.141,63.095 51.141,62.201 ccw(c51.746,62.201) 51.746,61.596 ccw(c51.746,62.201) 52.352,62.201 52.352,63.095 cw(c52.571,63.095) 52.571,63.314 54.111,63.314 55.23,63.314 55.562,63.314 ccw(c55.562,63.886) 55.567,63.314 55.576,63.314 cw(c55.577,63.129) 55.601,63.313 55.918,63.272 56.364,63.04 T1.23@56.75,63.04
MDID_P: J4.7 T1.22 | length 15
  Top Layer w0.186: J4.7@46.7,62.88 cw(c45.907,62.88) 46.468,62.319 46.386,62.238 ccw(c46.537,62.087) 46.324,62.087 ccw(c46.51,62.087) 46.378,61.956 ccw(c46.51,62.087) 46.51,61.902 47.008,61.902 cw(c47.008,61.516) 47.009,61.902 47.168,61.902 ccw(c47.168,62.087) 47.298,61.955 48.876,63.533 cw(c49.28,63.129) 49.28,63.7 49.81,63.7 50.921,63.7 cw(c50.921,63.095) 51.526,63.095 51.526,62.201 ccw(c51.746,62.201) 51.746,61.981 ccw(c51.746,62.201) 51.966,62.201 51.966,63.095 cw(c52.571,63.095) 52.571,63.7 54.111,63.7 55.562,63.7 ccw(c55.562,63.886) 55.563,63.7 55.573,63.7 ccw(c55.571,63.886) 55.625,63.708 55.918,63.8 55.998,63.88 cw(c56.364,63.514) 56.364,64.032 T1.22@56.75,64.032
MUX1_CTRL: R6.1 S1.3 U2.6 | length 28.5
  Top Layer w0.2: S1.3@44.9,51.64 45.94,50.6 54.75,50.6 54.9,50.75 54.9,51.5 57.5,54.1 57.5,57 59.3,58.8 66.55,58.8 66.6,58.85 66.85,58.85 67.05,59.05 U2.6@67.05,59.3